# Altium PCB 板球系统控制板.PcbDoc
Units mil, origin at the board's own origin, x right, y up, seen from the top; angles counter-clockwise.
Board outline 6000 x 4000 mil, 2 copper layers (Top Layer, Bottom Layer); 22 components, 95 nets, 206 pads, 71 vias.
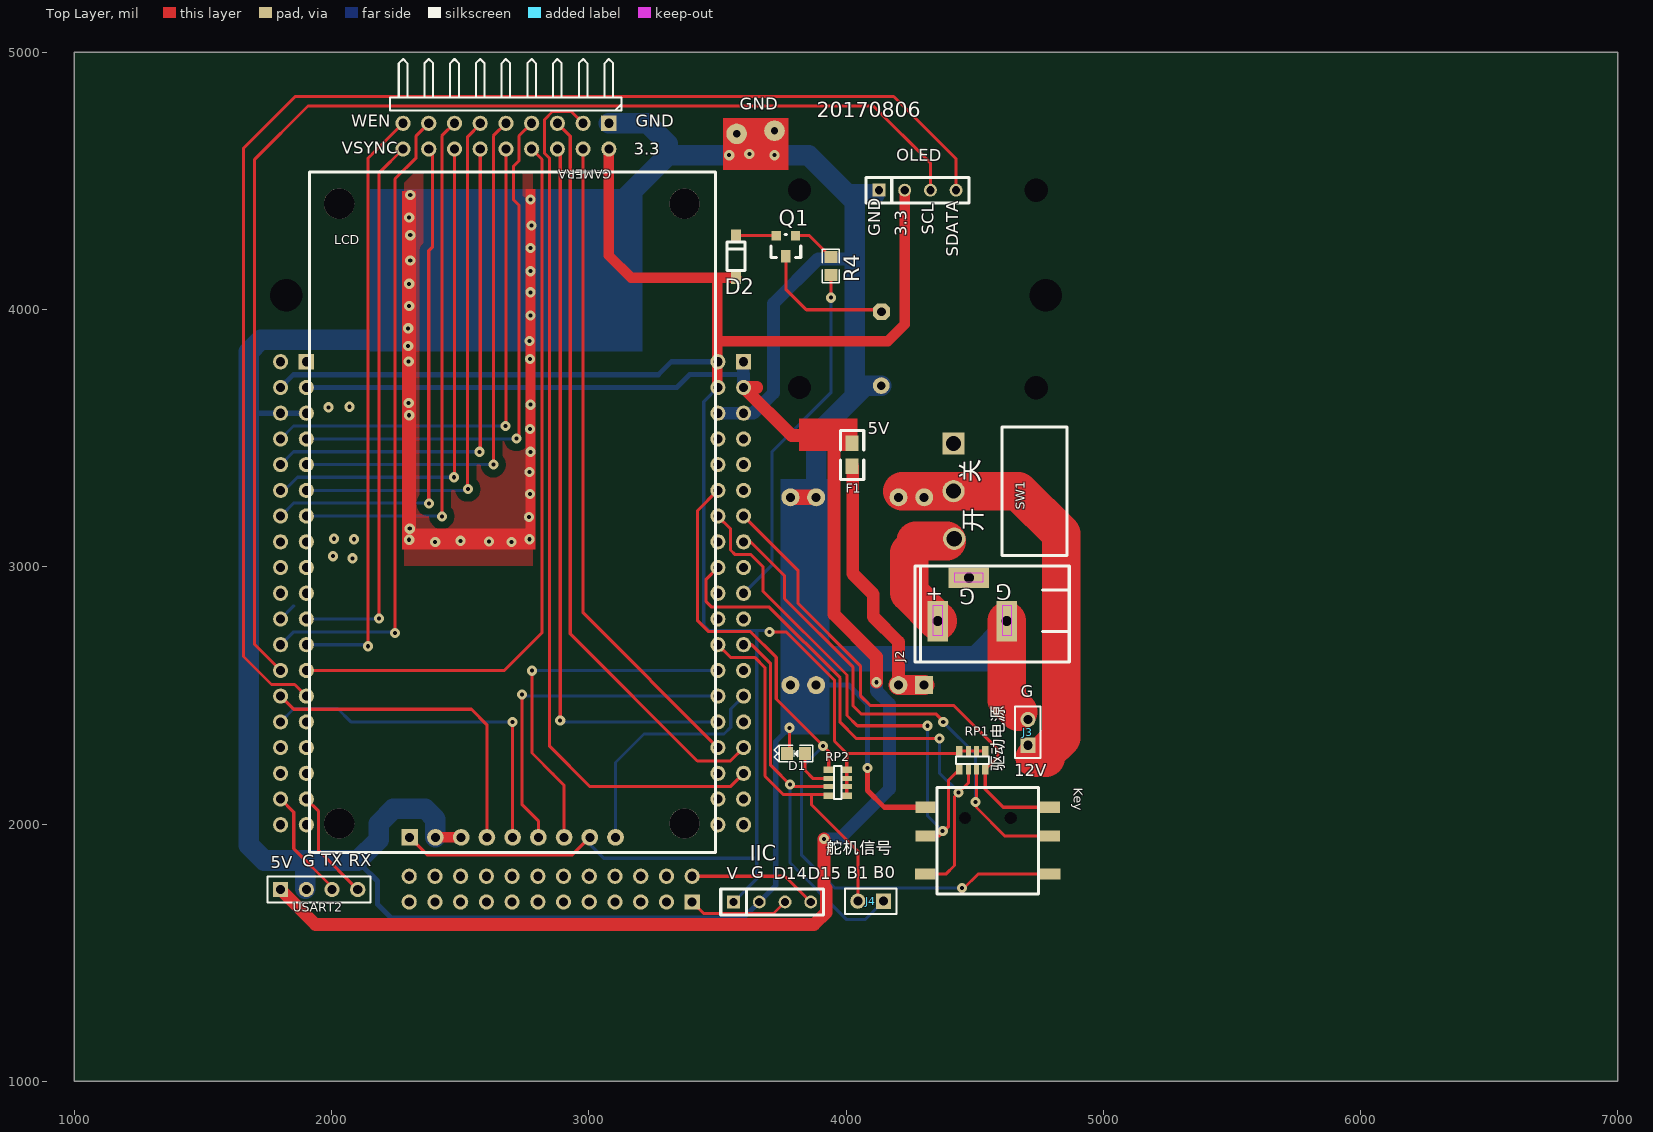
[diagram p0: Top Layer view]
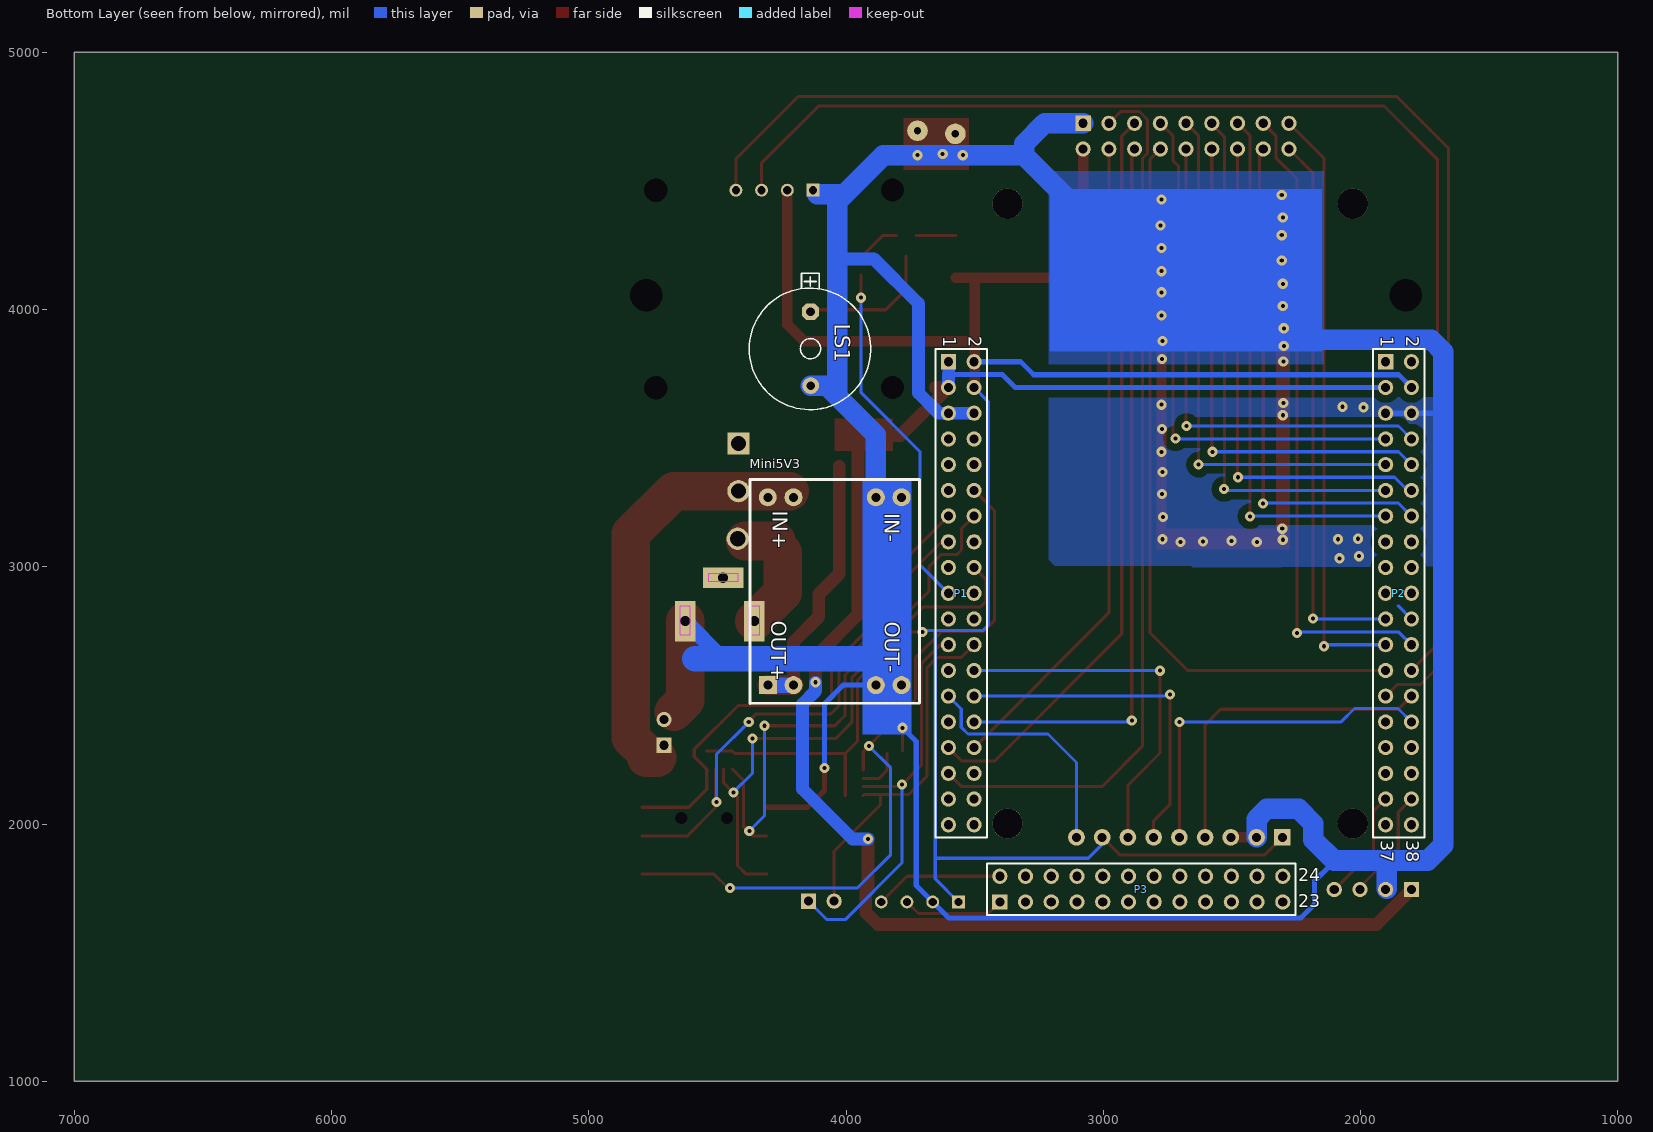
[diagram p1: Bottom Layer view, seen from below]

## Layer stack, top to bottom
Top Layer: signal copper 1.4
Dielectric: dielectric 12.6, FR-4, Dk 4.8
Bottom Layer: signal copper 1.4

## Board outline
1000,1000 7000,1000 7000,5000 1000,5000

## Design rules (kind name [scope] priority, off if disabled: settings)
Clearance [All] p1: gap=10
PlaneConnect [All] p1: planeconnectstyle=Direct reliefexpansion=20 reliefentries=4 reliefconductorwidth=10 reliefairgap=10
PolygonConnect [All] p1: connectstyle=Direct reliefconductorwidth=10 reliefentries=4 polygonreliefangle="90 Angle"
RoutingVias [All] p1: holewidth=28 width=50 viastyle="Through Hole" minholewidth=28 minwidth=50 maxholewidth=28 maxwidth=50
SilkToSilkClearance [All] p1 off: silktosilkclearance=10
SilkscreenOverComponentPads [All] p1 off: minsilkscreentomaskgap=10
SolderMaskExpansion [All] p1 off: expansion=4
TestPointUsage [All] p1: valid=0 allowmultiple=FALSE
Testpoint [All] p1: side=15 testpointundercomponent=TRUE minsize=40 maxsize=100 preferedsize=60 minholesize=0 maxholesize=40 preferedholesize=32 testpointgrid=1 style=1023 order=0-112345678
Width [All] p1: maxlimit=150 minlimit=10 preferedwidth=10
21 further rules are at their usual default settings.

## Components (designator, comment, footprint, x,y, rotation, side; value= is the part's Value field where it differs from the comment)
CAMERA "Header 18X2" HDR2X9H 3078,4724 r180 top
D1 "LEDred" 0805_LED_S4 3806,2274 r0 top
D2 "1N4148" SOD-123 3573,4123 r180 top
F1 "Fuse 2" 0805 4024,3390 r90 top
IIC "Header 4" sip4 3563,1697 r0 top
J2 "Header 3" Power 4357,2789 r180 top
J3 "Header 2" HDR1X2 4707,2306 r90 top
J4 "Header 2" HDR1X2 4146,1700 r180 top
Key "Header 3X2A" Key5D 4309,2065 r0 top
LCD "2.2LED" 2.2LCD 2304,1948 r0 top
LS1 "Beep" BUFFER-12 4138,3848 r270 bottom
Mini5V3 "5V电源模块" Mini5Vpower 4304,2540 r90 bottom
OLED "Header 4" sip4 4128,4464 r0 top
P1 "Header 19X2" HDR2X19 3602,3797 r270 bottom
P2 "Header 19X2" HDR2X19 1902,3797 r270 bottom
P3 "Header 12X2" HDR2X12 3402,1697 r180 bottom
Q1 "9012" SOT23 3804,4287 r180 top
R4 "Res1" 0805_R 3941,4169 r270 top
RP1 "10K" R0603_8P4R 4441,2213 r90 top
RP2 "10K" R0603_8P4R 3933,2211 r0 top
SW1 "SW-SPDT" switch2 4418,3479 r270 top
USART2 "Header 4" HDR1X4 1802,1745 r0 top

## Footprints (in the part's own frame and the unit in brackets; to place one, negate y for a bottom-side part, rotate by r counter-clockwise, add the part's x,y. Pads: shape width x height; smd on the part's side, far side on the other; paste and mask are expansions set on the pad)
2.2LCD [mil]
  round 118.11 hole 118.11: 0(-274.4,53.79) 0(-274.4,2463.36) 0(1068.19,2463.36) 0(1068.32,54.01)
  rect 65x65 hole 35: 1(0,0)
  round 65 hole 35: 2(100,0) 3(200,0) 4(300,0) 5(400,0) 6(500,0) 7(600,0) 8(700,0) 9(800,0)
  silkscreen extent -389,-59 1189,2587
0805 [mil]
  rect 60x50 smd: 1(0,0) 2(90,0)
  silkscreen extent -50,-45 140,45
0805_LED_S4 [mm]
  rect 1.16x1.27 smd: 1(0.89,0) 2(-0.89,0)
  silkscreen extent -2.16,-0.83 1.67,0.83, body extent -1.01,-0.63 1.01,0.62, height 1.1
0805_R [mm]
  rect 1.16x1.27 smd: 1(-0.89,0) 2(0.89,0)
  silkscreen extent -1.67,-0.83 1.67,0.83, body extent -1,-0.62 1,0.63, height 0.77
BUFFER-12 [mm]
  oct 1.65x1.65 hole 0.85: 1(-3.65,0)
  round 1.65 hole 0.85: 2(3.65,0.025)
  silkscreen extent -7.44,-6.05 6.02,5.95
HDR1X2 [mm] "Connector; Header; 2 Position"
  rect 1.5x1.5 hole 0.9: 1(0,0)
  round 1.5 hole 0.9: 2(2.54,0)
  silkscreen extent -1.27,-1.27 3.81,1.27
HDR1X4 [mm] "Connector; Header; 4 Position"
  rect 1.5x1.5 hole 0.9: 1(0,0)
  round 1.5 hole 0.9: 2(2.54,0) 3(5.08,0) 4(7.62,0)
  silkscreen extent -1.27,-1.27 8.89,1.27
HDR2X9H [mm] "Connector; Header; 9x2 Position; Right Angle"
  rect 1.5x1.5 hole 0.9: 1(0,0)
  round 1.5 hole 0.9: 2(0,2.54) 3(2.54,0) 4(2.54,2.54) 5(5.08,0) 6(5.08,2.54) 7(7.62,0) 8(7.62,2.54) 9(10.16,0) 10(10.16,2.54) 11(12.7,0) 12(12.7,2.54) 13(15.24,0) 14(15.24,2.54) 15(17.78,0) 16(17.78,2.54) 17(20.32,0) 18(20.32,2.54)
  silkscreen extent -1.27,-6.35 21.59,-1.27
HDR2X12 [mm] "Connector; Header; 12x2 Position"
  rect 1.5x1.5 hole 0.9: 1(0,0)
  round 1.5 hole 0.9: 2(0,2.54) 3(2.54,0) 4(2.54,2.54) 5(5.08,0) 6(5.08,2.54) 7(7.62,0) 8(7.62,2.54) 9(10.16,0) 10(10.16,2.54) 11(12.7,0) 12(12.7,2.54) 13(15.24,0) 14(15.24,2.54) 15(17.78,0) 16(17.78,2.54) 17(20.32,0) 18(20.32,2.54) 19(22.86,0) 20(22.86,2.54) 21(25.4,0) 22(25.4,2.54) 23(27.94,0) 24(27.94,2.54)
  silkscreen extent -1.27,-1.27 29.21,3.81
HDR2X19 [mm] "Connector; Header; 19x2 Position"
  rect 1.5x1.5 hole 0.9: 1(0,0)
  round 1.5 hole 0.9: 2(0,2.54) 3(2.54,0) 4(2.54,2.54) 5(5.08,0) 6(5.08,2.54) 7(7.62,0) 8(7.62,2.54) 9(10.16,0) 10(10.16,2.54) 11(12.7,0) 12(12.7,2.54) 13(15.24,0) 14(15.24,2.54) 15(17.78,0) 16(17.78,2.54) 17(20.32,0) 18(20.32,2.54) 19(22.86,0) 20(22.86,2.54) 21(25.4,0) 22(25.4,2.54) 23(27.94,0) 24(27.94,2.54) 25(30.48,0) 26(30.48,2.54) 27(33.02,0) 28(33.02,2.54) 29(35.56,0) 30(35.56,2.54) 31(38.1,0) 32(38.1,2.54) 33(40.64,0) 34(40.64,2.54) 35(43.18,0) 36(43.18,2.54) 37(45.72,0) 38(45.72,2.54)
  silkscreen extent -1.27,-1.27 46.99,3.81
Key5D [mm]
  rect 2x1.1 smd: 1(0,0) 2(0,-2.85) 3(-0.025,-6.6) 4(12.286,0) 5(12.286,-2.85) 6(12.311,-6.6)
  round 1 hole 1.2: 7(3.918,-1.05) 8(8.418,-1.05)
  silkscreen extent 1.14,-8.55 11.14,1.95
Mini5Vpower [mil]
  rect 70x70 hole 35: 1(0,0)
  round 70 hole 35: 2(0,-100) 3(0,-420) 4(0,-520) 5(730,0) 6(730,-100) 7(730,-420) 8(730,-520)
  silkscreen extent -71,-590 800,69
Power [mil]
  rect 78.74x157.48 hole 40: 1(0,0) 3(-268,0)
  rect 157.48x78.74 hole 40: 2(-121,-168)
  Keep-Out Layer region: -20,-60 19,-60 19,56 -20,56
  Keep-Out Layer region: -176,-186 -63,-186 -63,-153 -176,-153
  Keep-Out Layer region: -287,-60 -250,-60 -250,56 -287,56
  silkscreen extent -512,-214 88,159
R0603_8P4R [mil]
  rect 40x25.59 smd: 1(0,0) 2(70,0)
  rect 40x19.68 smd: 3(0,-34.5) 4(70,-34.5) 5(0,-65.99) 6(70,-65.99)
  rect 40x25.79 smd: 7(0,-100.49) 8(70,-100.49)
  silkscreen extent 20,-114 50,14
sip4 [mil]
  rect 50x50 hole 32: 1(0,0)
  round 50 hole 32: 2(100,0) 3(200,0) 4(300,0)
  silkscreen extent -50,-50 350,50
SOD-123 [mm]
  rect 1x1.2 smd: 1(0,0) 2(0.025,-4.191)
  silkscreen extent -0.89,-3.55 0.91,-0.71
SOT23 [mil]
  rect 36x36 smd: 1(0,0) 2(75,0)
  rect 36x50 smd: 3(38,80)
  silkscreen extent -20,-5 95,85
switch2 [mm]
  rect 2.2x2.2 hole 1.5: 1(0,0)
  round 2.2 hole 1.5: 2(4.7,0) 3(9.4,0.076)
  silkscreen extent -1.65,4.8 11.05,11.2

## Part data
CAMERA: library part "Header 9X2", "Header, 9-Pin, Dual row"
D1: library part LED0, "Typical INFRARED GaAs LED"
D2: "Diode"
F1: "Fuse"
IIC OLED USART2: "Header, 4-Pin"
J2: "Header, 3-Pin"
J3 J4: "Header, 2-Pin"
Key: "Header, 3-Pin, Dual row"
LS1: library part SPEAKER
Mini5V3: library part "Header 4X2A", "Header, 4-Pin, Dual row"
P1 P2: "Header, 19-Pin, Dual row"
P3: "Header, 12-Pin, Dual row"
R4: "Resistor"
RP1 RP2: library part "Header 4X2", "Header, 4-Pin, Dual row"
SW1: "SPDT Subminiature Toggle Switch, Right Angle Mounting, Vertical Actuation"

## Free pads (board coordinates)
  round 102.36 hole 125.98: 0(1824.24,4055) 0(4777,4055)
  round 80 hole 28: 0(3575,4683) 1(3722,4695)
  round 78.74 hole 90.55: 10(3819,3697.28) 10(3819,4465) 10(4740,3696.28) 10(4740,4464)

## Via types
v1: diameter 39.37, hole 15.75, Top Layer to Bottom Layer, 71 vias

## Nets (pads, with @x,y where several pads share a name; then routed paths per layer and width w, separated by ;. In a path a pad name is that pad's centre, name@x,y a point inside that pad or via, vN(x,y) a via of type N, cw(c..) or ccw(c..) an arc to the next point about the centre after c; other vN are vias at no path point)
3.3V: CAMERA.2 D2.1 IIC.1 LCD.1 LCD.8 OLED.2 P1.2 P1.4 P2.4 RP1.2 RP1.4 RP1.6 RP1.8 RP2.2 RP2.4 RP2.6 RP2.8 | length 9712.2
  Top Layer w12: LCD.1 2372,1880 2936,1880 LCD.8 ; P1.2 3502,3877 3502,3885 ; v1(3703,2747) 3767,2747 3955.06,2558.94 3955.06,2321.94 4003,2274 ; RP2.8 RP2.6 RP2.4 RP2.2 4003,2274 ; RP1.8 RP1.6 RP1.4 RP1.2 4432,2274 4003,2274
  Top Layer w40: CAMERA.2 3078,4210 3165,4123 3499,4123 ; P1.4 3499,3700 3499,4123 ; 3502,3877 4163,3877 4228,3942 OLED.2 ; D2.1 3499,4123
  Bottom Layer w12: LCD.8 3004,1921 3058,1867 3653,1867 ; P1.4 3447,3642 3447,2773 3468.53,2751.47 3646,2751.47 ; IIC.1 3653,1787 3653,1867 ; v1@3698.53,2751.47 3646,2751.47 ; 3646,2751.47 3653,2744.47 3653,1867
  Bottom Layer w20: P2.4@1802,3707 P2.4 1851.53,3746.53 2130,3746.53 ; 2258.53,3746.53 2130,3746.53 ; P1.2 3321,3797 3270.53,3746.53 2130,3746.53
5V: F1.2 P1.1 P1.3 P2.3 USART2.1 | length 6466.1
  Top Layer w50: USART2.1 1938,1609 3876,1609 3923,1656 3923,1749 3915,1757 v1(3915,1941) ; 3653,3697 P1.3 3789.03,3509.97 3866.97,3509.97 3868,3511 ; 3954,3475 3954,2814 4118,2650 v1(4118,2551)
  Bottom Layer w20: P2.3 3342,3697 3392.47,3747.47 3600.47,3747.47 3602,3749 ; P1.1@3600.47,3795.47 P1.1
  Bottom Layer w50: 3600.47,3747.47 P1.1@3600.47,3795.47 ; P1.3 3602,3749 ; v1@3915,1942 3975,1942 4169,2136 4169,2467 4118,2518 v1(4118,2551)
5VIN: F1.1 Mini5V3.1 Mini5V3.2 | length 1123.7
  Top Layer w50: F1.1@4026,3390 4026,2972.85 4106,2892.85 4106,2806 4204,2708 Mini5V3.2
  Top Layer w78.74: Mini5V3.2 Mini5V3.1
  Bottom Layer w60: Mini5V3.2 Mini5V3.1
12V: J2.1 SW1.3 | length 477
  Top Layer w150: 4270.92,3100 SW1.3@4391,3100 ; 4278.5,3086.5 4246,3054 4246,2900 J2.1
12VOUT: J3.1 Mini5V3.5 Mini5V3.6 SW1.2 | length 1607.6
  Top Layer w150: Mini5V3.6@4217.96,3293.96 SW1.2 4670.04,3293.96 4836,3128 4836,2336 4776,2276 ; 4733,2258 4777,2258
A0: P1.7
A1: P1.8
A2: P1.9
A3: P1.10
A4: P1.11
A5: Key.6 P1.12 RP2.1 | length 2921.9
  Top Layer w12: P1.12 3422,3217 3422,2792 3466,2748 3629,2748 3729,2648 3729,2486 3933,2282 RP2.1 ; v1@4457,1749 4513.16,1805.16 Key.6
  Bottom Layer w12: v1(3911,2303) 3826.5,2218.5 3826.5,1880.5 3956,1751 v1(4451,1751)
A6: Key.4 P1.13 RP1.7 | length 1962.2
  Top Layer w12: P1.13 3814,2985 3814,2857 4056,2615 4056,2499 4095,2460 4420.01,2460 4590,2290.01 4590,2261.51 RP1.7 4541.49,2134.51 4611,2065 Key.4
A7: Key.2 P1.14 RP1.1 | length 2127.5
  Top Layer w12: P1.14 3551,3148 3551,3065 3569,3047 3631,3047 3677,3001 3677,2906 4004,2579 4004,2422 4044,2382 v1(4317,2382) ; Key.2 4360.8,1952.8 4399,1991 4399,2171 RP1.1
  Bottom Layer w12: v1(4317,2382) 4317,2032 v1(4376,1973)
A8: Key.5 P1.15 RP1.5 | length 2051.7
  Top Layer w12: P1.15 3629,3097 3761,2965 3761,2876 4028,2609 4028,2459 4060,2427 4351,2427 4378,2400 v1(4378,2396) ; RP1.5 4506.99,2064.01 4618.2,1952.8 Key.5
  Bottom Layer w12: v1(4378,2396) 4504,2270 v1(4504,2086)
A9: P1.16
A10: P1.17
A11: Key.3 P1.18 RP1.3 | length 2144.7
  Top Layer w12: P1.18 3456.47,2951.47 3456.47,2864.47 3477.94,2843 3702.11,2843 3977.06,2568.06 3977.06,2394.94 4039,2333 v1(4363,2333) ; Key.3 4388.16,1805.16 4422,1839 4422,2106 4475.5,2159.5 RP1.3
  Bottom Layer w12: v1(4363,2333) 4363,2198 v1(4438,2123)
A12: P1.19 R4.2 | length 1377.4
  Top Layer w12: v1(3941,4046) R4.2
  Bottom Layer w12: P1.19 3713,3008 3713,3448 3941,3676 v1(3941,4046)
A15: P1.20
B: Q1.1 R4.1 | length 171.4
  Top Layer w12: Q1.1 3858.04,4287 R4.1
B0: J4.1 P1.23 RP2.5 | length 1693.1
  Top Layer w12: P1.23 3633,2697 3707,2623 3707,2228 3790,2145 RP2.5
  Bottom Layer w12: v1(3782,2154) 3782,1849 3852,1779 ; 3931,1700 3852,1779 ; J4.1 4074,1628 4003,1628 3852,1779
B1: J4.2 P1.24 RP2.7 | length 1408.7
  Top Layer w12: P1.24 3551,2648 3645,2648 3685,2608 3685,2186 3757,2114 3929.51,2114 RP2.7 ; 3866,2113 3866,2075 4046,1895 J4.2
B2: P1.25
B3: LCD.7 P1.26 | length 1445.7
  Top Layer w12: 2779,2545 2779,2531 ; v1(2779,2596) 2779,2531 ; 2860,2195 2867,2188 ; LCD.7 2904,2151 2867,2188 ; 2779,2531 2779,2276 2867,2188
  Bottom Layer w12: v1(2779,2596) P1.26@3501,2596
B4: LCD.9 P1.27 | length 937.5
  Bottom Layer w12: LCD.9 3104,2239 3215,2350 3526,2350 3552,2376 3552,2447 P1.27
B5: LCD.6 P1.28 | length 1336.1
  Top Layer w12: v1(2741,2503) 2741,2075 2804,2012 LCD.6
  Bottom Layer w12: v1@2747,2497 P1.28
B6: P1.29
B7: CAMERA.6 P1.30 | length 2819
  Top Layer w12: v1(2889,2402) CAMERA.6@2889,4613
  Bottom Layer w12: v1@2894,2397 P1.30
B8: CAMERA.5 P1.31 | length 2905.9
  Top Layer w12: CAMERA.5 2928,4674 2928,2739 3422,2245 3550,2245 P1.31
B9: CAMERA.4 P1.32 | length 2544
  Top Layer w12: CAMERA.4 2978,2821 P1.32
B10: CAMERA.3 P1.33 | length 3467
  Top Layer w12: CAMERA.3 2932.47,4769.53 2859.14,4769.53 2828,4738.39 2828,4607 2848,4587 2848,2302 3005,2145 3550,2145 P1.33
B11: P1.34
B12: P1.35
B13: P1.36
B14: P1.37
B15: P1.38
C: LS1.1 Q1.3 | length 525.8
  Top Layer w12: Q1.3 3766,4079 3846,3999 LS1.1@4130.7,3999
C0: CAMERA.7 P2.7 | length 2089.7
  Top Layer w12: v1(2719,3499) 2729,3509 2729,4406 2707,4428 2707,4556 2729,4578 2729,4675 CAMERA.7
  Bottom Layer w12: P2.7 v1@2724,3497
C1: CAMERA.10 P2.8 | length 1971.7
  Top Layer w12: v1@2678,3547 CAMERA.10
  Bottom Layer w12: P2.8 1852,3547 v1(2676,3547)
C2: CAMERA.9 P2.9 | length 2074.3
  Top Layer w12: v1(2629,3397) 2629,4675 CAMERA.9
  Bottom Layer w12: P2.9 v1(2629,3397)
C3: CAMERA.12 P2.10 | length 1970.7
  Top Layer w12: v1@2578,3447 CAMERA.12
  Bottom Layer w12: P2.10 1852,3447 v1(2575,3447)
C4: CAMERA.11 P2.11 | length 2065.3
  Top Layer w12: v1@2529,3302 2529,4672 2578,4721 CAMERA.11
  Bottom Layer w12: P2.11 v1@2525,3297
  other v1: 2530,3302
C5: CAMERA.14 P2.12 | length 1971.1
  Top Layer w12: v1@2478,3348 CAMERA.14
  Bottom Layer w12: P2.12 1817,3297 1868,3348 v1(2476,3348)
C6: CAMERA.13 P2.13 | length 2074.3
  Top Layer w12: v1(2429,3196) 2429,4675 CAMERA.13
  Bottom Layer w12: P2.13 v1@2428,3197
C7: CAMERA.16 P2.14 | length 1987.6
  Top Layer w12: v1@2378,3236 2378,4229 2393,4244 2393,4609 CAMERA.16
  Bottom Layer w12: P2.14 1853,3248 v1@2368,3248
  other v1: 2379,3246
C8: P2.15
C9: P2.16
C10: P2.17
C11: P2.18
C12: P2.19
C13: P2.20
D0: P3.3
D1: P3.4
D2: CAMERA.18 P2.21 | length 2151.9
  Top Layer w12: v1(2184,2799) 2184,4530 CAMERA.18
  Bottom Layer w12: P2.21 v1@2190,2797
D3: P2.22 | length 72.1
  Bottom Layer w12: P2.22 1853,2848
D4: P3.17
D5: P3.18
D6: P3.21
D7: P3.19
D8: P3.14
D9: P3.15
D10: P3.16
D11: P3.20
D12: CAMERA.17 P2.23 | length 2460.3
  Top Layer w12: v1(2142,2691) 2142,4588 CAMERA.17 2188,4634
  Bottom Layer w12: P2.23 2138,2697 2142,2693 v1(2142,2691)
D13: CAMERA.15 P2.24 | length 2500.6
  Top Layer w12: v1(2247,2743) 2247,4508 2329,4590 2329,4675 CAMERA.15
  Bottom Layer w12: P2.24 1851,2746 v1@2247,2746
D14: IIC.3 P3.1 | length 512.3
  Top Layer w12: P3.1 3447,1652 3521,1652 ; 3635,1652 3521,1652 ; IIC.3 3718,1652 3521,1652
D15: IIC.4 P3.2 | length 502.4
  Top Layer w12: P3.2 3763,1797 IIC.4
DP: P2.2
E: D2.2 Q1.2 | length 156
  Top Layer w12: D2.2 Q1.2@3728,4288
E0: CAMERA.8 P2.25 | length 2874
  Top Layer w12: P2.25 2672,2597 2818,2743 2818,4584 CAMERA.8
E3: LCD.4 P2.28 | length 1286
  Top Layer w12: P2.28 1853,2446 2544,2446 2604,2386 LCD.4
E4: P2.29
E5: LCD.5 P2.30 | length 1432.1
  Top Layer w12: LCD.5 2704,2321 ; 2704,2359 2704,2321 ; v1(2704,2397) 2704,2321
  Bottom Layer w12: P2.30 1854,2449 2023,2449 2075,2397 v1(2704,2397)
E6: P3.22
E7: P3.5
E8: P3.6
E9: P3.7
E10: P3.8
E11: P3.9
E12: P3.10
E13: P3.11
E14: P3.12
E15: P3.13
GND: CAMERA.1 D1.2 IIC.2 J2.3 J3.2 Key.1 LCD.2 LCD.3 LS1.2 Mini5V3.3 Mini5V3.4 Mini5V3.7 Mini5V3.8 OLED.1 P1.5 P1.6 P2.5 P2.6 pad.0@3575,4683 pad.1 USART2.2 | length 12565.5
  Top Layer w12: D1.2@3780,2283.04 v1(3780,2374)
  Top Layer w20: v1(4084,2217) 4084,2130 4149,2065 Key.1
  Top Layer w40: LCD.2 LCD.3
  Top Layer w60: Mini5V3.8 Mini5V3.7
  Top Layer w150: J2.3 4625,2647 4625,2481 4670,2436
  Bottom Layer w20: 1679,3599 1681,3597 P2.5 ; 2117,1840 2179,1778 2179,1688 2233,1634 3600,1634 IIC.2 3727,1761 3727,2321 v1(3780,2374) ; Mini5V3.3 4011,2540 4084,2467 v1(4084,2217)
  Bottom Layer w50: P1.6 3639,3597 3718,3676 3718,4023 3892,4197 4034,4197
  Bottom Layer w60: 4482,2646 J2.3
  Bottom Layer w80: USART2.2@1898,1749 1898,1858 ; 2190,3882 1725,3882 1679,3836 1679,3599 1679,1917 1738,1858 1898,1858 ; LCD.2 2404,2019 2364,2059 2241,2059 2183,2001 2183,1939 2102,1858 1898,1858 ; 2958,4250 3307,4599 ; CAMERA.1 3228,4724 3307,4645 3307,4599 ; Mini5V3.7 3884,3513 4034,3663 ; OLED.1@4112.5,4448.5 4005.5,4448.5 ; LS1.2 4075.3,3704.3 4034,3663 ; 3307,4599 3855,4599 4005.5,4448.5 ; 4005.5,4448.5 4034,4420 4034,4197 4034,3663
  Bottom Layer w100: 3905,2642 4587,2642
  other v1: 2081,3033 2005,3041 2403,3096 2700,3096 2612,3098 2501,3101 2302,3105 2087,3107 2770,3107 2009,3109 2304,3148 2768,3193 2772,3283 2770,3369 2774,3447 2772,3536 2302,3589 1988,3620 2070,3622 2774,3630 2300,3636 2300,3798 2772,3808 2298,3858 2770,3878 2298,3927 2774,3977 2302,4014 2774,4067 2302,4100 2774,4149 2306,4190 2774,4239 2306,4289 2778,4326 2302,4358 2774,4428 2306,4445 3546,4600 3722,4600 3624,4605
NC: P1.21
NetD1_1: D1.1 RP2.3 | length 171
  Top Layer w12: D1.1 3841.04,2207.96 3872.5,2176.5 RP2.3
NRST: P3.24
NSS: P2.34
RX1: P2.35 USART2.4 | length 434.8
  Top Layer w12: P2.35 1950,2049 1950,1897 USART2.4
RX3: P2.37
SCK: OLED.3 P2.26 | length 4939.6
  Top Layer w12: P2.26 1701,2698 1701,4584 1908.53,4791.53 4106.47,4791.53 4328,4570 OLED.3
SDATA: OLED.4 P2.27 | length 5358.7
  Top Layer w12: P2.27 1856.47,2542.53 1766.47,2542.53 1658,2651 1658,4627 1859,4828 4185,4828 4428,4585 OLED.4
TX1: P2.36 USART2.3 | length 434.8
  Top Layer w12: P2.36 1853,2046 1853,1904 2002,1755 USART2.3
TX3: P2.38
VBAT: P3.23
pads on no net: J2.2 Key.7 Key.8 LCD.0 P1.22 P2.1 P2.31 P2.32 P2.33 SW1.1

## Polygon pours and split planes (outlines as drawn)
GND on Top Layer "Bottom Layer-No Net" (solid, remove dead copper, pour order 1000): 2142,4545 2150,4537 3211,4537 3211,3027 3209,3025 3188,3004 2142,3004
GND on Bottom Layer "Bottom Layer-No Net" (solid, remove dead copper): 2655,2996 2655,3648 2651,3652 2644,3659 1658,3659 1658,3006 1662,3002
GND on Bottom Layer "Bottom Layer-No Net" (solid, remove dead copper, pour order 1001): 2142,4545 2150,4537 3211,4537 3211,3027 3209,3025 3188,3004 2142,3004

## Other copper
Top Layer:
  rectangle net 5V: 3817,3451 4044,3577
  rectangle net GND: 3521,4543 3776,4744
  rectangle net GND: 2754,3146 2793,4469
  rectangle net GND: 2274,3115 2329,4461
  rectangle net GND: 2274,3068 2793,3148
Bottom Layer:
  rectangle net GND: 3745,2348 3935,3342
  rectangle net GND: 2150,3836 3209,4469

## Silkscreen, mask and mechanical layers (free items; w line width, h text height)
Top Overlay:
  text "GND" at 3587,4761 h80
  text "20170806" at 3886,4728 h100
  text "WEN" at 2076,4695 h80
  text "GND" at 3183,4695 h80
  text "VSYNC" at 2040,4591 h80
  text "3.3" at 3175,4586 h80
  text "SCL" at 4356,4290 h80 r90
  text "GND" at 4148,4284 h80 r90
  text "3.3" at 4251,4284 h80 r90
  text "SDATA" at 4451,4205 h80 r90
  text "5V" at 4085,3499 h80
  text "关" at 4539,3324 h118.11 r90
  text "开" at 4551,3135 h118.11 r90
  text "G" at 4680,2477 h80
  text "驱动电源" at 4629,2204 h80 r90
  text "12V" at 4654,2171 h80
  text "舵机信号" at 3923,1868 h80
  text "TX" at 1961,1822 h80
  text "RX" at 2067,1821 h80
  text "G" at 1887,1819 h80
  text "5V" at 1764,1813 h80
  text "G" at 3632,1774 h80
  text "B0" at 4106,1773 h80
  text "B1" at 4003,1772 h80
  text "V" at 3537,1770 h80
  text "D15" at 3852,1770 h80
  text "D14" at 3720,1769 h80
Top Solder:
  rectangle: 3817,3451 4044,3577
  rectangle: 3517,4543 3771,4748

## Text inside footprints (layer, text, board x,y; h text height)
J2: Top Overlay "G" at 4502,2914 h60 r180; Top Overlay "G" at 4644,2932 h60 r180; Top Overlay "+" at 4379,2919 h60 r180
Mini5V3: Bottom Overlay "IN-" at 3868,3209 h100 r90; Bottom Overlay "OUT-" at 3868,2786 h100 r90; Bottom Overlay "OUT+" at 4311,2790 h100 r90; Bottom Overlay "IN+" at 4305,3217 h100 r90
P1: Bottom Overlay "2" at 3522,3897 h50 r90; Bottom Overlay "1" at 3622,3897 h50 r90
P2: Bottom Overlay "2" at 1822,3897 h50 r90; Bottom Overlay "1" at 1922,3897 h50 r90; Bottom Overlay "37" at 1922,1937 h50 r90; Bottom Overlay "38" at 1822,1937 h50 r90
P3: Bottom Overlay "23" at 2242,1677 h50; Bottom Overlay "24" at 2242,1777 h50